# KiCad board nevb_mtr1_c_1.kicad_pcb (continued)
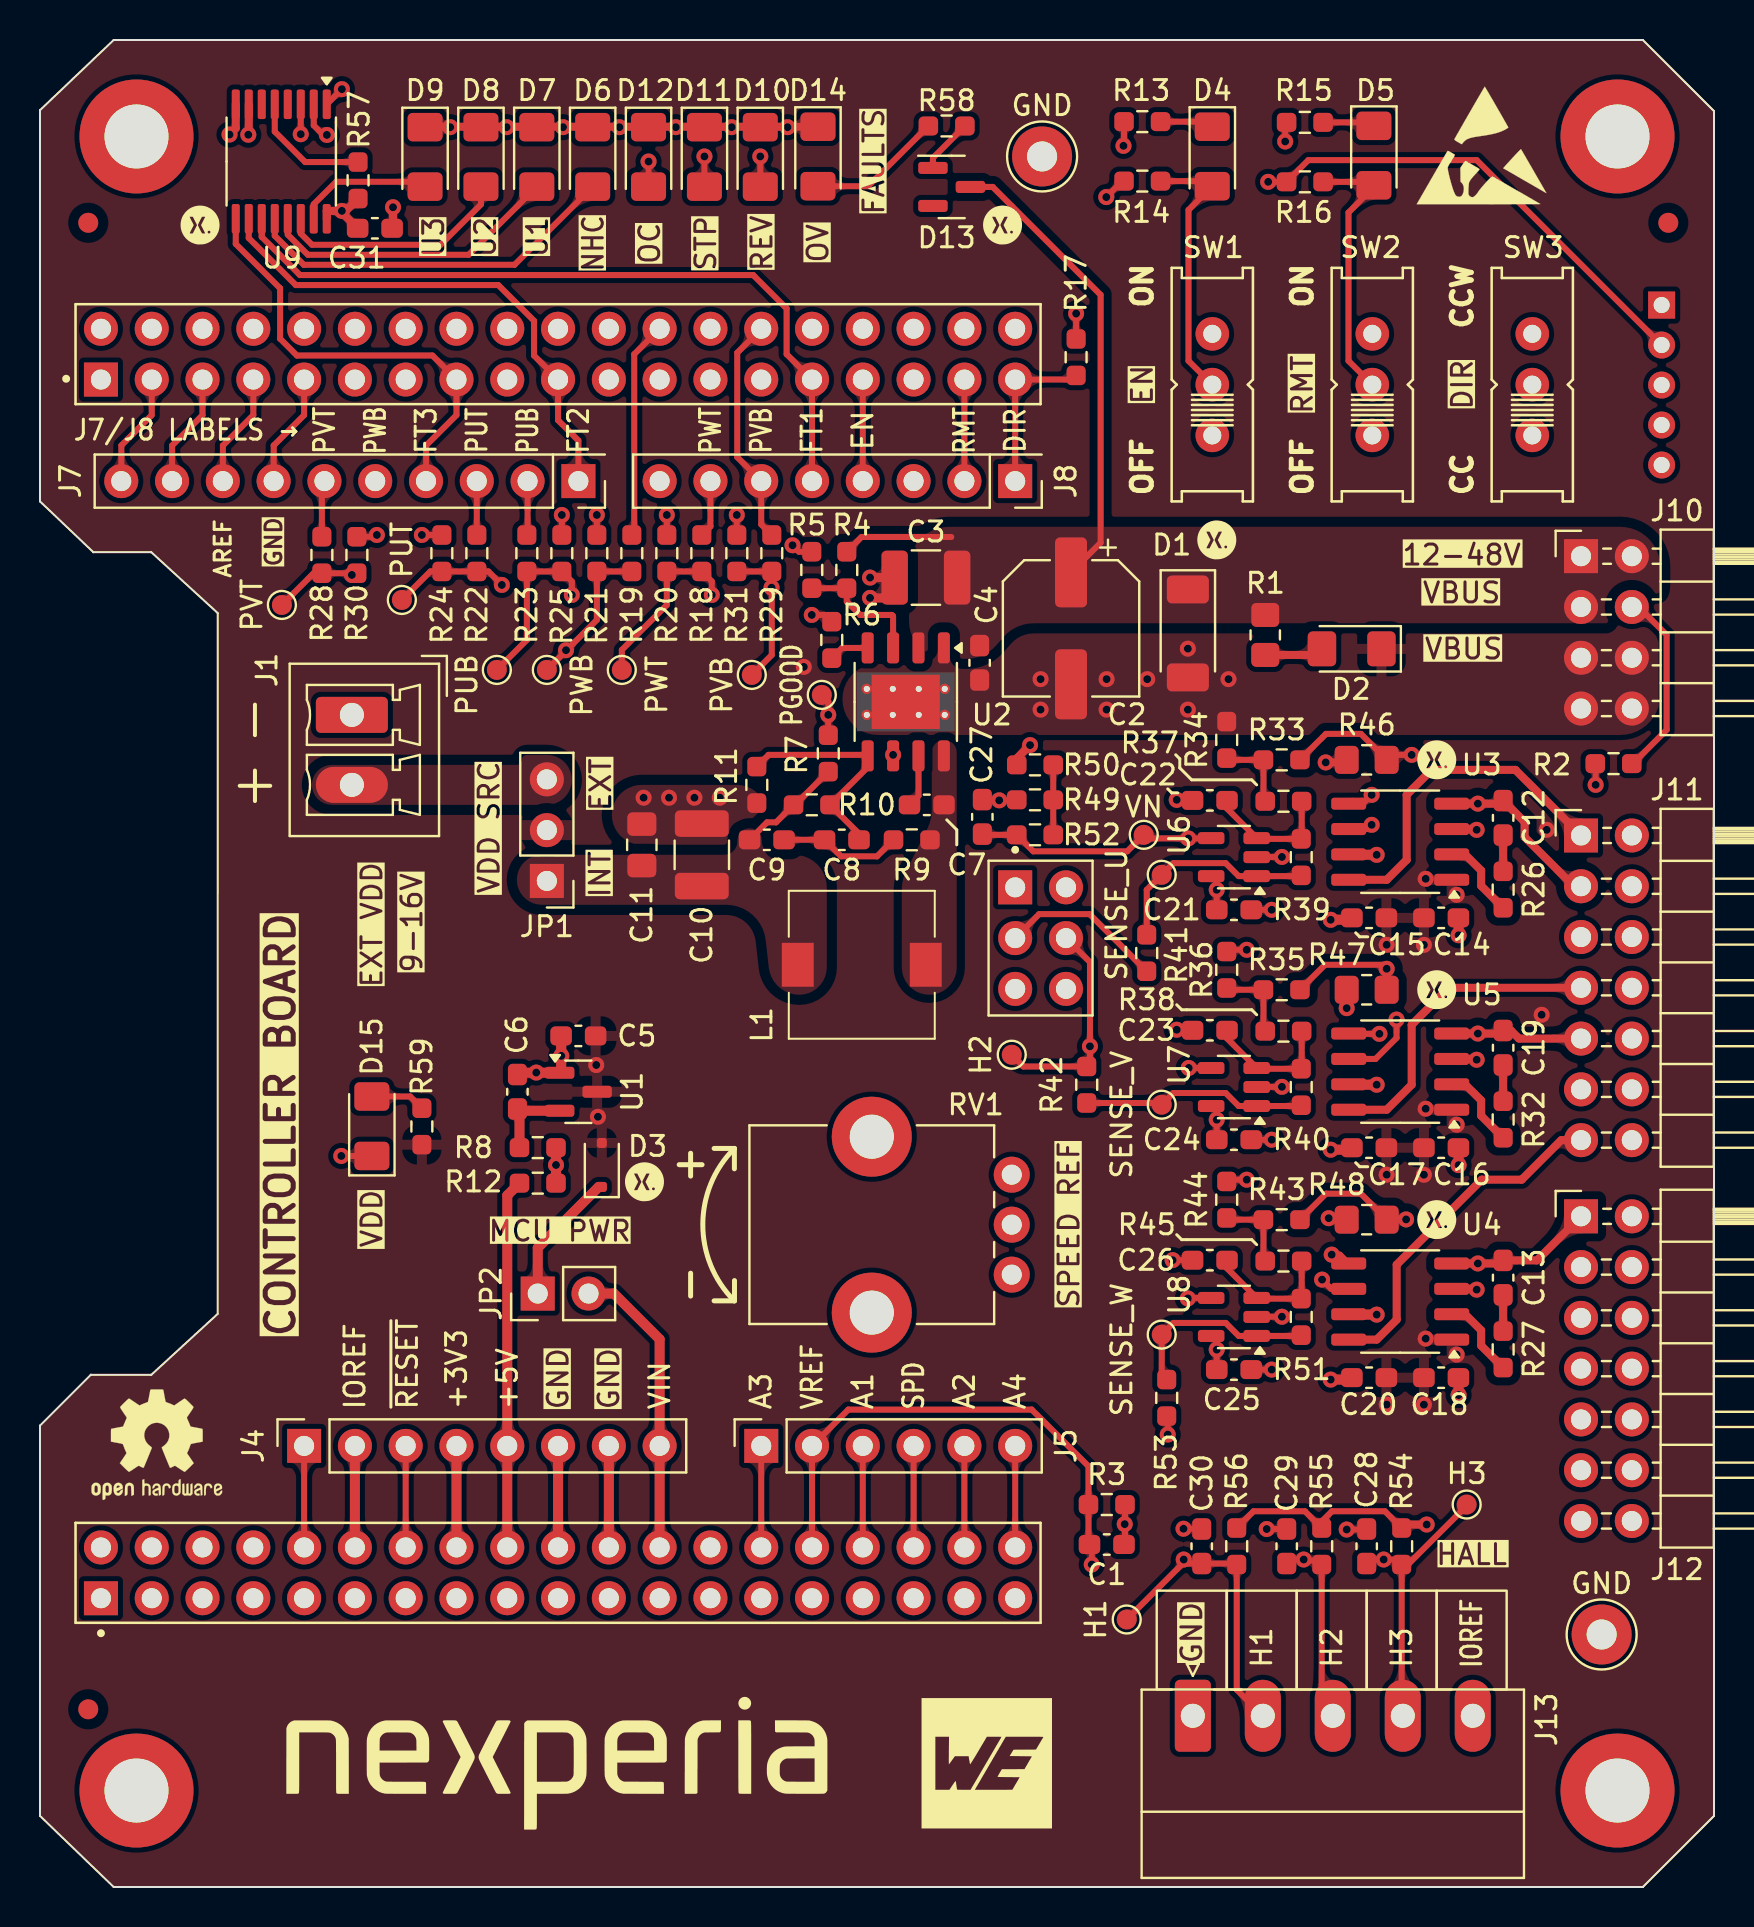
[diagram p0: board, top side]
## Routing (per net, layer and track width the routed paths; a pad name or vN(x,y) marks a point on that pad's centre or on a via; arc(x,y) is an arc through that point) (continued)
Net-(U5-LI): length 60
  Top w0.3: R31.1 R29.2 36.6,65.01 v1(36.59,65) 36.6,64.99 36.6,61.63 TP7.1 ; U5.6 66.79,41.42 67.84,42.47 v1(67.84,43.39)
  In2.Cu w0.3: v1(67.84,43.39) 68.3,43.85 68.3,55.43 57.48,66.25 40.03,66.25 38.77,65 v1(36.59,65)
Net-(U6-+): length 6.6
  Top w0.3: R37.1 63.1,52.45 R39.2 60.88,52.43 U6.3 59.36,53.95 C22.1
Net-(U7-+): length 6.6
  Top w0.3: C23.1 59.36,42.45 U7.3 60.88,40.93 R40.2 63.1,40.95 R38.1
Net-(U8-+): length 6.6
  Top w0.3: C26.1 59.36,30.95 U8.3 60.88,29.43 R51.2 63.1,29.45 R45.1
Net-(U9-A): length 6.2
  Top w0.3: U9.5 11.74,87.81 13.26,86.28 R57.2

## Copper pours and planes (outline as drawn; the poured copper is in the pictures)
GND on Top: 81.03,63.71 43.6,63.71 43.6,61.18 40.13,61.18 40.13,57.63 81.03,57.63
GND on Top: 28.6,52.13 28.6,55.13 36.35,55.13 36.35,52.13
GND on Bottom, In1.Cu: 85.22,94.2 85.22,-1.05 -2.41,-1.05 -2.41,94.2
VBUS on Top: 81.03,68.04 81.03,63.21 48.77,63.21 47.24,61.44 43.46,61.44 43.46,68.04
VDD on Top, In2.Cu: -2.41,94.2 85.22,94.2 85.22,-1.05 -2.41,-1.05
/DC-DC converter/SW on Top: 45.85,57.38 45.85,44.63 43.1,44.63 43.1,50.38 44.6,53.38 44.6,57.38
/DC-DC converter/VOUT on Top: 39.35,44.63 36.6,44.63 36.1,49.13 23.85,49.13 23.85,51.63 34.88,51.63 34.88,52.96 36.1,52.96 36.1,51.63 39.35,51.63
Net-(J1-Pin_2) on Top: 13.6,56.13 24.1,56.13 24.1,56.63 26.6,56.63 26.6,54.13 13.6,54.13

Small or netless copper shapes (teardrops, artwork), in the pictures only: 486 on Top, 54 on In1.Cu, 51 on In2.Cu

## Text on the board
B.Courtyard: Courtyard Back (B.Courtyard)
Bottom: Copper Layer Back (B.Cu)
B.Mask: Solder Mask Back (B.Mask)
B.Paste: Solder Paste Back (F.Paste)
B.Silkscreen: IOREF | ADC1 | ADC2 | ADC3 | GND | H1 | H2 | H3 | ↑ / 2 | ↑ / 1 | NEVB-MTR1-C-1 | ø M3 | FOR EVUALTION / PURPOSES ONLY | VBUS | P/N: | GUB | PHU | GUT | GVB | PHV | GVT | GWB | PHW | GWT | ADC4 | RMT | EN | DIR | Silkscreen Back (B.Silkscreen)
User.Comments: F.Silkscreen | F.Paste | F.Mask | F.Cu | Dielectric | In1.Cu | In2.Cu | B.Cu | B.Mask | B.Paste | B.Silkscreen | Top Silk Screen | Top Solder Paste | Top Solder Mask | copper | prepreg | core | Bottom Solder Mask | Bottom Solder Paste | Bottom Silk Screen | Not specified | FR4 | 0 mm | 0.01 mm | 0.035 mm | 0.11 mm | 1.2 mm | White | Black | FR4 natural | 1 | 3.3 | 4.29 | 0 | 0.02 | Copper Layer Count: | Board overall dimensions: | Min track/spacing: | Copper Finish: | Castellated pads: | Edge card connectors: | 4 | 83.7160 mm x 92.3920 mm | 0.2000 mm / 0.2000 mm | ENIG | No | Board Thickness: | Min hole diameter: | Impedance Control: | Plated Board Edge: | 1.5800 mm | 0.3000 mm | Layer Name | Type | Material | Thickness (mm) | Color | Epsilon R | Loss Tangent | Comments User (User.Comments) | BOARD CHARACTERISTICS
F.Courtyard: Courtyard Front (F.Courtyard)
Top: Copper Layer Front (F.Cu)
F.Mask: Solder Mask Front (F.Mask)
F.Paste: Solder Paste Front (F.Paste)
F.Silkscreen: IOREF | J7/J8 LABELS → | MCU PWR | 12-48V | VBUS | GND | H1 | H2 | H3 | VDD SRC | EXT VDD | 9-16V | INT | EXT | FAULTS | OFF | CC | ON | CCW | CONTROLLER BOARD | + | - | Silkscreen Front (F.Silkscreen)
In1.Cu: Copper Layer Inner 1 (In1.Cu)
In2.Cu: Copper Layer Inner 2 (In2.Cu)
